# Allegro board RK_NVR_DEMO1_RK3588_LP4XD200P232SD8_V21_20211228_final_lint.brd (continued)
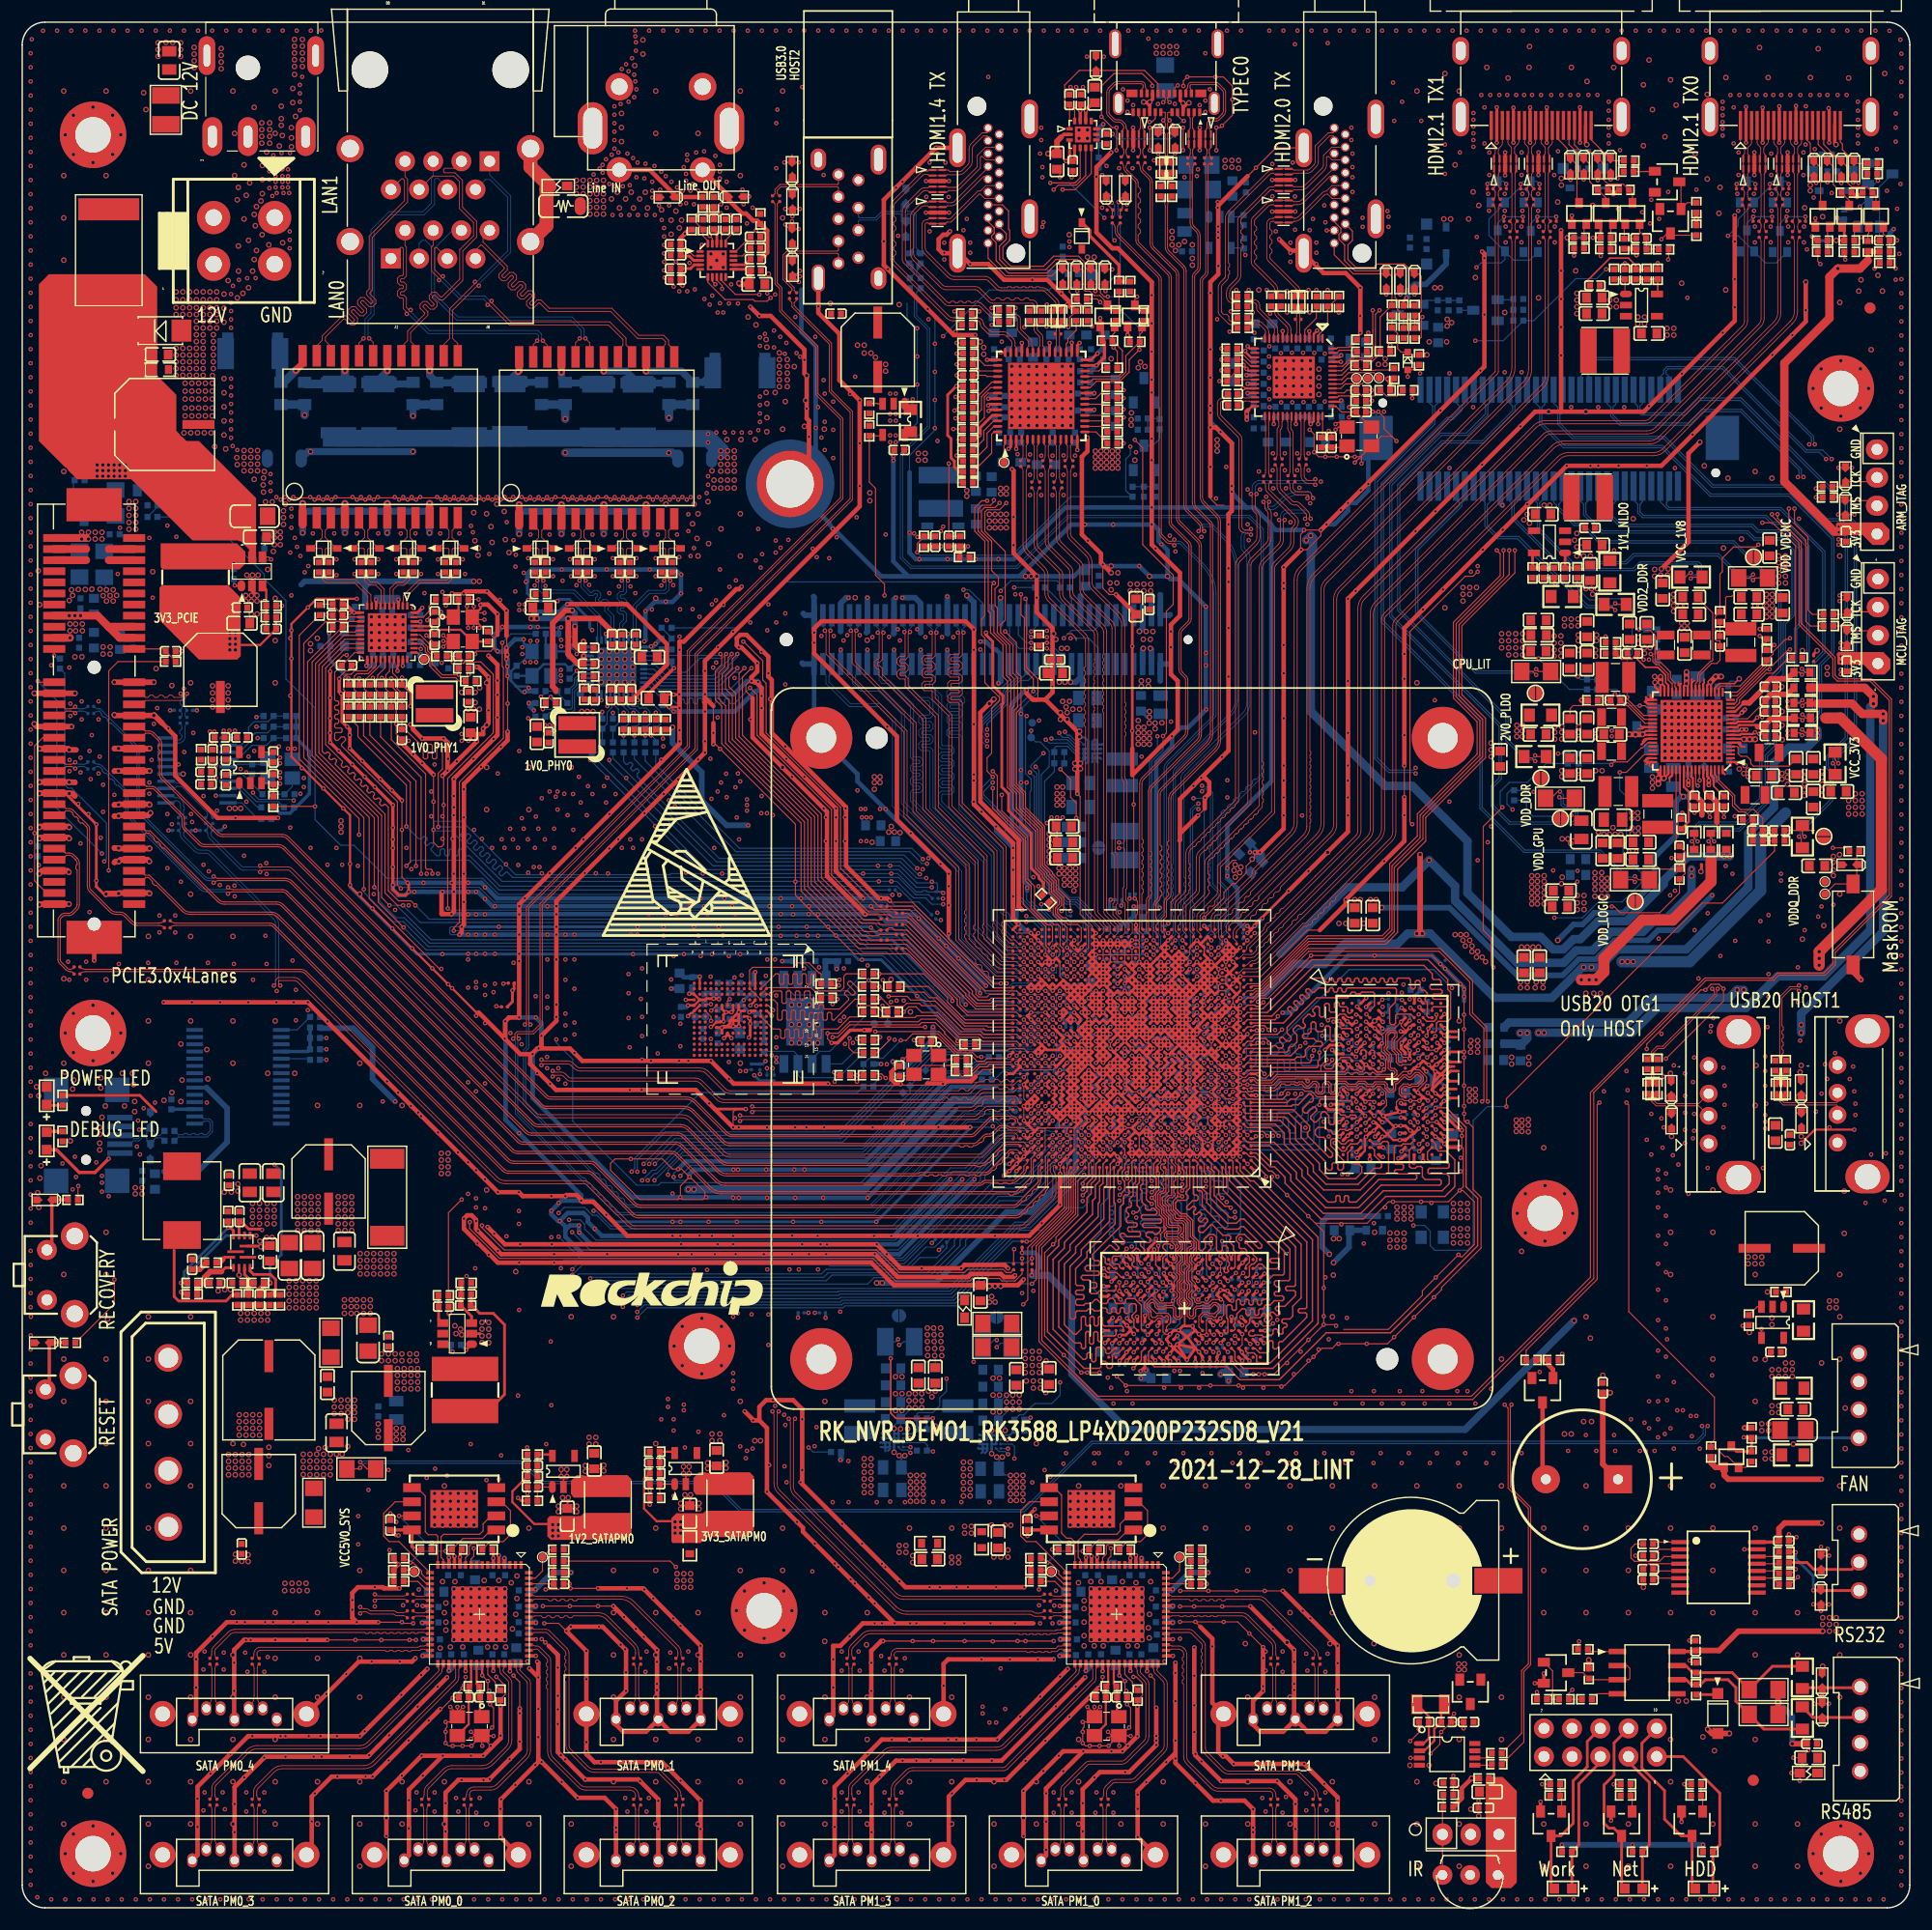
[diagram p0: board, top side]
## Nets (continued)
SATAPM1_TXP1: C8300.1 U8300.60(ATXP1)
SATAPM1_TXP2: C8305.1 U8300.54(ATXP2)
SATAPM1_TXP3: C8320.1 U8300.37(ATXP3)
SATAPM1_TXP4: C8335.1 U8300.31(ATXP4)
SATAPM1_TXP5: C8318.2 U8300.25(ATXP5)
SATAPM1_TXP_0: C8314.2 J8302.2(TXP)
SATAPM1_TXP_1: C8300.2 J8300.2(TXP)
SATAPM1_TXP_2: C8305.2 J8301.2(TXP)
SATAPM1_TXP_3: C8320.2 J8303.2(TXP)
SATAPM1_TXP_4: C8335.2 J8304.2(TXP)
SATAPM1_XIN: C8313.1 R8307.2 U8300.39(AXIN) Y8300.3(X2)
SATAPM1_XOUT: C8311.1 R8307.1 U8300.40(AXOUT) Y8300.1(X1)
SLEEP1_RESET1_DEVOFF1_VSEL1: R1103.1 U1000.R32(GPIO0_A2_D)
SPDIF0_TX_M1: R1922.2 R5506.1 U5500.53(SPDIF)
SPI2_CLK_M2: R1104.1 U1000.N31(GPIO0_A5_D)
SPI2_CS0_M2: R1106.1 U1000.K30(GPIO0_B1_Z)
SPI2_MISO_M2: R1107.1 R1108.1 U1000.L29(GPIO0_B3_Z)
SPI2_MOSI_M2: R1105.1 U1000.N30(GPIO0_A6_Z)
TSADC_SHUT_H: R1102.2 U1000.P32(GPIO0_A1_Z)
TYPEC0_CC1: C2521.1 D2518.1 J2500.A5(CC1) U2503.10(CC1_10) U2503.11(CC1_11)
TYPEC0_CC2: C2520.1 D2519.1 J2500.B5(CC2) U2503.1(CC2_1) U2503.14(CC2_14)
TYPEC0_DM: D2505.1 J2500.A7(D-1) J2500.B7(D-2) L2500.1 R2509.2
TYPEC0_DP: D2504.1 J2500.A6(D+1) J2500.B6(D+2) L2500.3 R2506.2
TYPEC0_REXT: R1401.1 U1000.AH16(TYPEC0_DP0_REXT)
TYPEC0_RX1N: ED2500.1(IO1) ED2500.10(NC_10) J2500.B10(RX1-) R2502.2
TYPEC0_RX1P: ED2500.2(IO2) ED2500.9(NC_9) J2500.B11(RX1+) R2503.2
TYPEC0_RX2N: ED2501.1(IO1) ED2501.10(NC_10) J2500.A10(RX2-) R2537.2
TYPEC0_RX2P: ED2501.2(IO2) ED2501.9(NC_9) J2500.A11(RX2+) R2538.2
TYPEC0_SBU1: C2522.2 D2517.1 J2500.A8(SBU1) R2533.2 R2536.1
TYPEC0_SBU1/DP0_AUXP: C2522.1 U1000.AL15(TYPEC0_SBU1/DP0_AUXP)
TYPEC0_SBU1_DC: R2533.1 U1000.T29(GPIO0_C6_U)
TYPEC0_SBU2: C2523.2 D2516.1 J2500.B8(SBU2) R2534.2 R2535.1
TYPEC0_SBU2/DP0_AUXN: C2523.1 U1000.AM15(TYPEC0_SBU2/DP0_AUXN)
TYPEC0_SBU2_DC: R2534.1 U1000.U33(GPIO0_D3_U)
TYPEC0_SSRX1N: R2502.1 U1000.AP13(TYPEC0_SSRX1N/DP0_TX0N)
TYPEC0_SSRX1P: R2503.1 U1000.AN13(TYPEC0_SSRX1P/DP0_TX0P)
TYPEC0_SSRX2N: R2537.1 U1000.AP15(TYPEC0_SSRX2N/DP0_TX2N)
TYPEC0_SSRX2P: R2538.1 U1000.AN15(TYPEC0_SSRX2P/DP0_TX2P)
TYPEC0_SSTX1N: C2501.1 U1000.AN14(TYPEC0_SSTX1N/DP0_TX1N)
TYPEC0_SSTX1P: C2502.1 U1000.AP14(TYPEC0_SSTX1P/DP0_TX1P)
TYPEC0_SSTX2N: C2524.1 U1000.AN16(TYPEC0_SSTX2N/DP0_TX3N)
TYPEC0_SSTX2P: C2525.1 U1000.AP16(TYPEC0_SSTX2P/DP0_TX3P)
TYPEC0_TX1N: C2501.2 ED2500.5(IO4) ED2500.6(NC_6) J2500.A3(TX1-)
TYPEC0_TX1P: C2502.2 ED2500.4(IO3) ED2500.7(NC_7) J2500.A2(TX1+)
TYPEC0_TX2N: C2524.2 ED2501.5(IO4) ED2501.6(NC_6) J2500.B3(TX2-)
TYPEC0_TX2P: C2525.2 ED2501.4(IO3) ED2501.7(NC_7) J2500.B2(TX2+)
TYPEC0_USB20_OTG_DM: R2508.1 U1000.AM12(TYPEC0_USB20_OTG_DM)
TYPEC0_USB20_OTG_DP: R2507.1 U1000.AL12(TYPEC0_USB20_OTG_DP)
TYPEC0_USB20_VBUSDET: R2500.1 R2501.1 U1000.AM14(TYPEC0_USB20_VBUSDET)
TYPEC1_REXT: R1405.1 U1000.AG16(TYPEC1_DP1_REXT)
TYPEC1_USB20_HOST_DM: D2512.1 J2502.2 L2502.3 R2525.2
TYPEC1_USB20_HOST_DP: D2513.1 J2502.3 L2502.1 R2522.2
TYPEC1_USB20_OTG_DM: R2524.1 U1000.AL9(TYPEC1_USB20_OTG_DM)
TYPEC1_USB20_OTG_DP: R2523.1 U1000.AK9(TYPEC1_USB20_OTG_DP)
UART0_RX_M2: R9502.1 U1000.AL28(GPIO4_A4_D)
UART0_TX_M2: R9507.1 R9509.1 U1000.AL29(GPIO4_A3_D)
UART2_RX_M0_DEBUG: R9100.1 U1000.R29(GPIO0_B6_D)
UART2_TX_M0_DEBUG: R9101.1 U1000.P29(GPIO0_B5_D)
UART3_RX_M2: R9513.2 U1000.AL27(GPIO4_A6_D)
UART3_TX_M2: R9514.2 U1000.AK27(GPIO4_A5_D)
USB20_HOST0_DM: R2520.1 U1000.AL6(USB20_HOST0_DM)
USB20_HOST0_DP: R2519.1 U1000.AK6(USB20_HOST0_DP)
USB20_HOST0DM: D2511.1 J2501.2(D-) L2501.3 R2521.2
USB20_HOST0DP: D2510.1 J2501.3(D+) L2501.1 R2518.2
USB20_HOST1_DM: R2530.1 U1000.AM7(USB20_HOST1_DM)
USB20_HOST1_DP: R2528.1 U1000.AL7(USB20_HOST1_DP)
USB20_HOST1DM: D2514.1 J2503.2 L2503.3 R2531.2
USB20_HOST1DP: D2515.1 J2503.3 L2503.1 R2527.2
USB30_2_SSRXN: R2512.1 U1000.J30(PCIE20_2_RXN/SATA30_2_RXN/USB30)
USB30_2_SSRXP: R2514.1 U1000.J31(PCIE20_2_RXP/SATA30_2_RXP/USB30)
USB30_2_SSTXN: C2509.1 U1000.H29(PCIE20_2_TXN/SATA30_2_TXN/USB30)
USB30_2_SSTXP: C2510.1 U1000.H30(PCIE20_2_TXP/SATA30_2_TXP/USB30)
USB30_HOST2_SSRXN: D2507.1 J2501.5(RX-) R2512.2
USB30_HOST2_SSRXP: D2506.1 J2501.6(RX+) R2514.2
USB30_HOST2_SSTXN: C2509.2 D2508.1 J2501.8(TX-)
USB30_HOST2_SSTXP: C2510.2 D2509.1 J2501.9(TX+)
USB_HOST_PWREN_H_GPIO4_B0: R2516.1 U1000.AK26(GPIO4_B0_D) U2501.4(EN) U2502.4(EN)
USB_OTG_PWREN_H_GPIO4_A7: R2510.1 U1000.AM27(GPIO4_A7_D) U2500.4(EN)
USBCC_INT_L_GPIO1_A0: U1000.A24(GPIO1_A0_D) U2503.5(INT#)
VSEL2: U1000.R31(GPIO0_A3_D) U2200.A1(VSEL)
VSEL3: U1000.U32(GPIO0_C1_D) U2202.A1(VSEL)
VSEL4: R1109.1 U1000.T32(GPIO0_C2_D)
VSEL5: R1113.1 U1000.T30(GPIO0_C3_D)
VSEL6: U1000.W28(GPIO0_D6_D) U2201.A1(VSEL)
XIN24M: C1102.1 R1101.2 U1000.R34(XIN_24M) Y1100.3(X2)
XOUT24M: R1100.2 R1101.1 U1000.T34(XOUT_24M)
N14549718: D5000.2(K) R5001.1 R5007.1
N14549722: Q5000.2(SOURCE) R5002.2 R5003.2
N14550286: C5003.2 Q5001.2(SOURCE) R5006.2 R5008.2
N15154665: R2004.2 R2008.1 U2000.12(EN)
N15156181: R2005.1 U2000.8(BST)
N15156236: C2008.1 R2005.2
N15156243: C2008.2 L2000.1 R2015.1 U2000.7(SW)
N15159881: R2009.2 U2000.3(PG)
N15164980: LED2000.1(ANODE) R2007.2
N15183032: L2501.2 R2518.1 R2519.2
N15183044: L2501.4 R2520.2 R2521.1
N15216631: C8225.2 R8213.2 R8214.1 U8202.5(FB/OUT)
N15216635: C8237.1 R8212.2 U8202.1(EN)
N15216667: L8200.1 U8202.3(LX)
N15216687: C8243.2 R8216.2 R8217.1 U8203.5(FB/OUT)
N15216691: C8255.1 R8215.2 U8203.1(EN)
N15216723: L8201.1 U8203.3(LX)
N15224188: C8419.1 U8400.5(X1) Y8400.1(X1)
N15224212: C8420.1 R8414.1 Y8400.3(X2)
N15224434: R8414.2 U8400.6(X2)
N15224658: R8421.1 U8400.10(IREF)
N15225736: C8427.1 U8401.4(BP)
N15225932: C8426.1 R8427.2 U8401.3(EN)
N15230520: D9103.1 J9101.3 R9106.2
N15230524: D9102.1 J9101.2(RX) R9107.2
N15231634: D9105.1 J9102.3 R9108.2
N15231638: D9104.1 J9102.2(RX) R9109.2
N15234556: D9200.1 R9200.2 SW9200.1
N15542277: R1202.2 U1000.G8(DDR_CH1_ZQ_C)
N15552314: D9201.1 R9201.2 SW9201.1
N15763811: C2021.2 R2012.2 R2013.1 U2001.5(FB/OUT)
N15763819: C2025.1 R2011.2 U2001.1(EN)
N15763883: L2001.1 U2001.3(LX)
N15873508: C9900.1 C9901.1 R9900.2 R9901.2 U9900.2(RX)
N15889176: C5120.2 R5132.2 R5133.1 U5101.5(FB/OUT)
N15889184: C5134.1 R5131.2 U5101.1(EN)
N15889248: L5101.1 U5101.3(LX)
N15892812: C5108.2 Q5100.1(GATE) R5126.2 R5128.1
N15892844: Q5101.3(COLLECTOR) R5128.2
N15892870: C5114.1 Q5101.1(BASE) R5129.2 R5130.1
N15896189: C5104.1 R5115.1 Y5100.1(X1)
N15898679: R5101.2 U5100.22(DP_HPD)
N15898906: R5107.1 U5100.19(ISPSDA)
N15898929: R5102.1 U5100.18(ISPSCL)
N15942277: R5113.1 U5100.5(REXT)
N15950204: D5101.2(K) R5123.1 R5125.1
N15954648: R5117.1 U5100.45(URDBG)
N15954657: TP5102.1 U5100.47(PCSDA)
N15954666: TP5101.1 U5100.48(PCSCL)
N15954675: TP5100.1 U5100.49(HWTRAPN)
N15998572: R1917.1 U1000.F24(GPIO1_D6_U)
N15998576: R1918.1 U1000.F25(GPIO1_D7_U)
N16138422: D5003.2(K) R5013.1 R5019.1
N16170615: D1500.1 R1514.2 SW1500.1 TP1502.1
N16183282: L2500.2 R2508.2 R2509.1
N16183296: L2500.4 R2506.1 R2507.2
N16185430: L2502.4 R2524.2 R2525.1
N16185436: L2502.2 R2522.1 R2523.2
N16185534: L2503.4 R2530.2 R2531.1
N16185540: L2503.2 R2527.1 R2528.2
N16213943: Q5005.2(SOURCE) R5021.2 R5023.2
N16214662: Q5003.2(SOURCE) R5012.2 R5015.2
N16214690: C5005.2 Q5004.2(SOURCE) R5018.2 R5020.2
N16215512: Q5002.2(SOURCE) R5009.2 R5011.2
N16223203: R4734.2 U4700.57(CAM0/1_FSYNC)
N16223207: R4736.2 U4700.59(LIGHT_SENSOR0/1/XHS0)
N16223211: R4735.1 U4700.58(CAM2/3_FSYNC)
N16380820: R5534.1 U5500.15(I2S3)
N16380832: R5535.1 U5500.16(I2S2)
N16380844: R5536.1 U5500.17(I2S1)
N16380856: R5537.1 U5500.18(I2S0)
N16380868: R5541.1 U5500.21(SCK)
N16380872: R5539.1 U5500.20(WS)
N16380906: TP5500.1 U5500.1(EXTPCLK)
N16381471: R5511.1 R5556.1 U5500.56(STDBY)
N16381480: R5510.1 U5500.55(DSD3R)
N16381489: R5508.1 U5500.54(MCLK)
N16382688: R5531.1 U5500.31(REXT)
N16383026: R5538.1 U5500.26(CEC)
N16397911: C5515.2 R5553.2 R5554.1 U5501.5(FB/OUT)
N16397919: C5531.1 R5552.2 U5501.1(EN)
N16397971: L5501.1 U5501.3(LX)
N16398461: C5504.2 Q5500.1(GATE) R5545.2 R5546.1
N16398493: Q5503.3(COLLECTOR) R5546.2
N16398519: C5512.1 Q5503.1(BASE) R5549.2 R5551.1
N16404713: D5501.2(K) R5543.1 R5548.1
N16955658: Q9501.3(DRAIN) R9902.2 R9905.2 U9900.4(3V3)
N17187559: C2526.1 R2539.1 U2500.1(VOUT)
N17187562: R2511.1 U2500.3(OCB)
N17187928: R2532.1 U2502.3(OCB)
N17193768: Q1700.3(DRAIN) R1700.2 R1701.2
N17305163: C8430.2 Q8400.1(GATE) R8428.2 R8432.1
N17305172: Q8401.3(COLLECTOR) R8432.2
N17305178: Q8401.1(BASE) R8434.2 R8435.1
N17305199: R8429.2 R8431.1 U8402.4(EN)
N17305210: C8428.2 L8400.1 U8402.6(LX)
N17305211: C8428.1 U8402.1(BS)
N17305212: C8434.2 R8430.2 R8433.1 U8402.3(FB/OUT)
N17373501: IR9000.1(OUT) J9000.1 R9000.2 R9001.2
N17430508: C2026.1 R2015.2 R2016.1
N17430572: R2016.2 R2017.2 R2018.1 U2000.11(FB)
N17433473: C2019.1 R2009.1 R2019.1 U2000.9(VCC)
N17433988: R2019.2 R2020.1 U2000.6(MODE)
N17435178: C2030.1 R2021.2 U2002.4(EN)
N17435180: C2029.2 L2002.1 U2002.6(LX)
N17435182: C2029.1 U2002.1(BS)
N17435196: C2031.2 R2022.2 R2023.1 U2002.3(FB/OUT)
N17657144: D5102.2(K) R5137.1 R5139.1
N17758514: L2201.1 U2201.D3(SW_1) U2201.D4(SW_2) U2201.E3(SW_3) U2201.E4(SW_4)
N17758921: L2200.1 U2200.D3(SW_1) U2200.D4(SW_2) U2200.E3(SW_3) U2200.E4(SW_4)
N17759951: L2202.1 U2202.D3(SW_1) U2202.D4(SW_2) U2202.E3(SW_3) U2202.E4(SW_4)
N17813379: C5003.1 Q5001.1(GATE) R5025.2
N17814519: C5005.1 Q5004.1(GATE) R5026.2
N17849645: C2229.1 U2203.2(OSCO) Y2200.1
N17849647: C2227.1 U2203.1(OSCI) Y2200.2
N17849654: D2200.1(A1) J2201.1
N17951577: D9502.2(K) R9501.1
N18040869: TP6700.1 U6701.31(INTB/PMEB)
N18070280: Q5007.1(BASE) R5004.1 R5027.1
N18070705: Q5006.1(BASE) Q5007.3(COLLECTOR) R5005.2
N18073020: Q5009.1(BASE) R5016.1 R5028.1
N18073062: Q5008.1(BASE) Q5009.3(COLLECTOR) R5017.2
N18076942: TP6800.1 U6801.31(INTB/PMEB)
N18256405: R2517.1 U2501.3(OCB)
N18723455: R9503.1 R9505.1 R9508.1 U9500.7(B)
N18723469: R9501.2 R9504.1 R9506.1 U9500.6(A)
N19738883: Q1701.3(DRAIN) R1702.2 R1703.2
N19738907: Q1702.3(DRAIN) R1704.2 R1705.2
N19738939: Q1703.3(DRAIN) R1706.2 R1707.2
N20545932: Q1704.3(DRAIN) R1709.2 R1710.2
N20545988: Q1705.3(DRAIN) R1711.2 R1712.2
N20545992: Q1706.3(DRAIN) R1713.2 R1714.2
N20546000: Q1707.3(DRAIN) R1715.2 R1716.2
N21016906: C1101.1 R1100.1 Y1100.1(X1)
N21604892: Q9001.1(BASE) R9007.2 R9010.1
N21604980: Q9002.1(BASE) R9008.2 R9011.1
N21605068: Q9000.1(BASE) R9006.2 R9009.1
N21605777: Q7000.1(BASE) R7005.2 R7006.1
N21605860: BP7000.2(G) Q7000.3(COLLECTOR)
N21607391: C7005.1 U7000.12(OUTP)
N21607575: C7004.1 U7000.14(DACREF)
N21607578: C7003.1 U7000.15(ADCVREF)
N21607622: C7002.1 U7000.16(VMID)
N21607655: C7000.1 U7000.18(MIC1P/DMIC_SDA)
N21607662: C7001.1 U7000.17(MIC1N)
N21615493: R9502.2 U9500.1(RO)
N21615495: R9507.2 U9500.4(DI)
N21615510: Q9500.3(COLLECTOR) R9500.2 U9500.2(RE#) U9500.3(DE)
N21615528: Q9500.1(BASE) R9509.2 R9510.1
N21615703: C9501.1 R9505.2 R9506.2
N21615728: C9501.2 C9502.1 FB9500.1 J9500.3(TX) J9500.4(3V3)
N21617958: C9503.2 U9501.1(C1+)
N21617961: C9503.1 U9501.3(C1-)
N21617992: C9504.2 U9501.2(V+)
N21618021: C9506.2 U9501.4(C2+)
N21618024: C9506.1 U9501.5(C2-)
N21618065: C9507.2 U9501.6(V-)
N21619259: R9511.1 U9501.14(DOUT1)
N21619262: R9512.1 U9501.13(RIN1)
N21706207: R9513.1 U9501.12(ROUT1)
N21706210: R9514.1 U9501.11(DIN1)
N21706664: ED9501.1 J9500.1(GND) R9503.2
N21706689: ED9500.1 J9500.2(RX) R9504.2
N21724674: C6702.1 C6703.1 C6704.1 C6705.1 U6700.1(TCT1) U6700.4(TCT2) U6700.7(TCT3) U6700.10(TCT4)
N21725684: C6707.1 R6710.2 R6711.2 R6712.2 R6713.2
N21738710: C6802.1 C6803.1 C6804.1 C6805.1 U6800.1(TCT1) U6800.4(TCT2) U6800.7(TCT3) U6800.10(TCT4)
N21738826: C6807.1 R6810.2 R6811.2 R6812.2 R6813.2
N21750647: C6708.1 FB6700.2 J6700.1(G1) J6700.2(G2) J6700.3(G3) J6700.4(G4)
N21756849: C2004.1 R2000.2
N21892034: C2005.1 C2006.1 J2002.4(+12V) R2003.2
N21892112: C2002.1 C2003.1 J2002.1(+5V) R2001.2
N22236399: C9100.1 C9101.1 R9102.2 U9100.4(VDD-232)
N22236619: LED9100.2(CATHODE) R9103.1
N22236693: R9100.2 U9100.1(TXD)
N22236695: R9101.2 U9100.5(RXD)
N23213062: R1203.1 U1000.F18(DDR_CH1_ZQ_D)
N24141374: R1201.1 U1000.H7(DDR_CH0_ZQ_B)
N63228233: R3817.1 U3801.T2(ODT_CA_B)
N63228239: R3816.2 U3801.G2(ODT_CA_A)
N63228245: R3818.2 U3801.A5(ZQ0)
N63228247: R3819.2 U3801.A8(ZQ1)
N63380732: R3807.1 U3800.T2(ODT_CA_B)
N63380738: R3806.2 U3800.G2(ODT_CA_A)
N63380744: R3809.2 U3800.A5(ZQ0)
N63380746: R3810.2 U3800.A8(ZQ1)
N65887084: R1200.2 U1000.W8(DDR_CH0_ZQ_A)

Pads without a net: J5000 14; J5001 14; J5100 13 14; J5500 14; J8400 A5 A6 A7 A8 A19 A32 B5 B6 B9 B30; J9001 1 2 3 4; J9100 4; J9800 56 58 60; M9900 1; M9901 1; M9902 1; M9903 1; M9904 1; M9905 1; U1000 AA27 AB30 AB31 AC30 AD4 AE4 AE5 AE8 AE30 AF3 AF5 AF6 AF18 AF19 AF20 AF33 AG1 AG2 AG4 AG5 AG20 AG23 AG24 AG25 AH5 AH6 AH20 AH24 AJ4 AJ5 AJ20 AK8 AK16 AK17 AK18 AK19 AK20 AK21 AK22 AL8 AL14 AL17 AL18 AL19 AL20 AL21 AL22 AM17 AN2 AN17 AN24 AN25 AN26 AN27 AN28 AN29 AN30 AN32 AN33 AN34 AP2 AP24 AP25 AP26 AP27 AP28 AP29 AP30 AP31 AP32 AP33 C19 D7 D10 D14 D17 E7 E10 E17 F26 F27 F28 G9 G18 G26 G30 G31 H4 H5 H9 H18 H32 H33 K4 K5 K7 L30 L32 L33 M7 P31 P33 T5 V6 V7 W4 W5; U2000 4; U2100 2 3 4 38 47 48; U2203 7; U3800 A1 A2 A11 A12 AA1 AA12 AB1 AB2 AB11 AB12 B1 B12 G11 K5 K8 N5 N8; U3801 A1 A2 A11 A12 AA1 AA12 AB1 AB2 AB11 AB12 B1 B12 G11 K5 K8 N5 N8; U4000 A2 A7 A8 A9 A10 A11 A12 A13 A14 B1 B7 B8 B9 B10 B11 B12 B13 B14 C1 C3 C7 C8 C9 C10 C11 C12 C13 C14 D1 D2 D3 D4 D12 D13 D14 E1 E2 E3 E5 E8 E9 E10 E12 E13 E14 F1 F2 F3 F10 F12 F13 F14 G1 G2 G3 G10 G12 G13 G14 H1 H2 H3 H12 H13 H14 J1 J2 J3 J12 J13 J14 K1 K2 K3 K6 K7 K10 K12 K13 K14 L1 L2 L3 L12 L13 L14 M1 M2 M3 M7 M8 M9 M10 M11 M12 M13 M14 N1 N3 N6 N7 N8 N9 N10 N11 N12 N13 N14 P1 P2 P7 P8 P9 P10 P11 P12 P13 P14; U4700 41 42 53 54 60 63 64 67 68 69 70 71 72 73 74; U5100 1 16; U7000 13; U8200 1 2 3 7 8 9 64; U8300 1 2 3 7 8 9 64; U8400 17 18; U9100 2 3 6 8 9 10 11 12 13 14 19 22 23 24 27 28; U9501 7 8 9 10; U9900 3

## Via types
v1: diameter 0.4, hole 0.2, TOP to BOTTOM, 5169 vias
v2: diameter 0.5, hole 0.3, TOP to BOTTOM, 2740 vias
